# KiCad board NoU2-panelized2.kicad_pcb (continued)
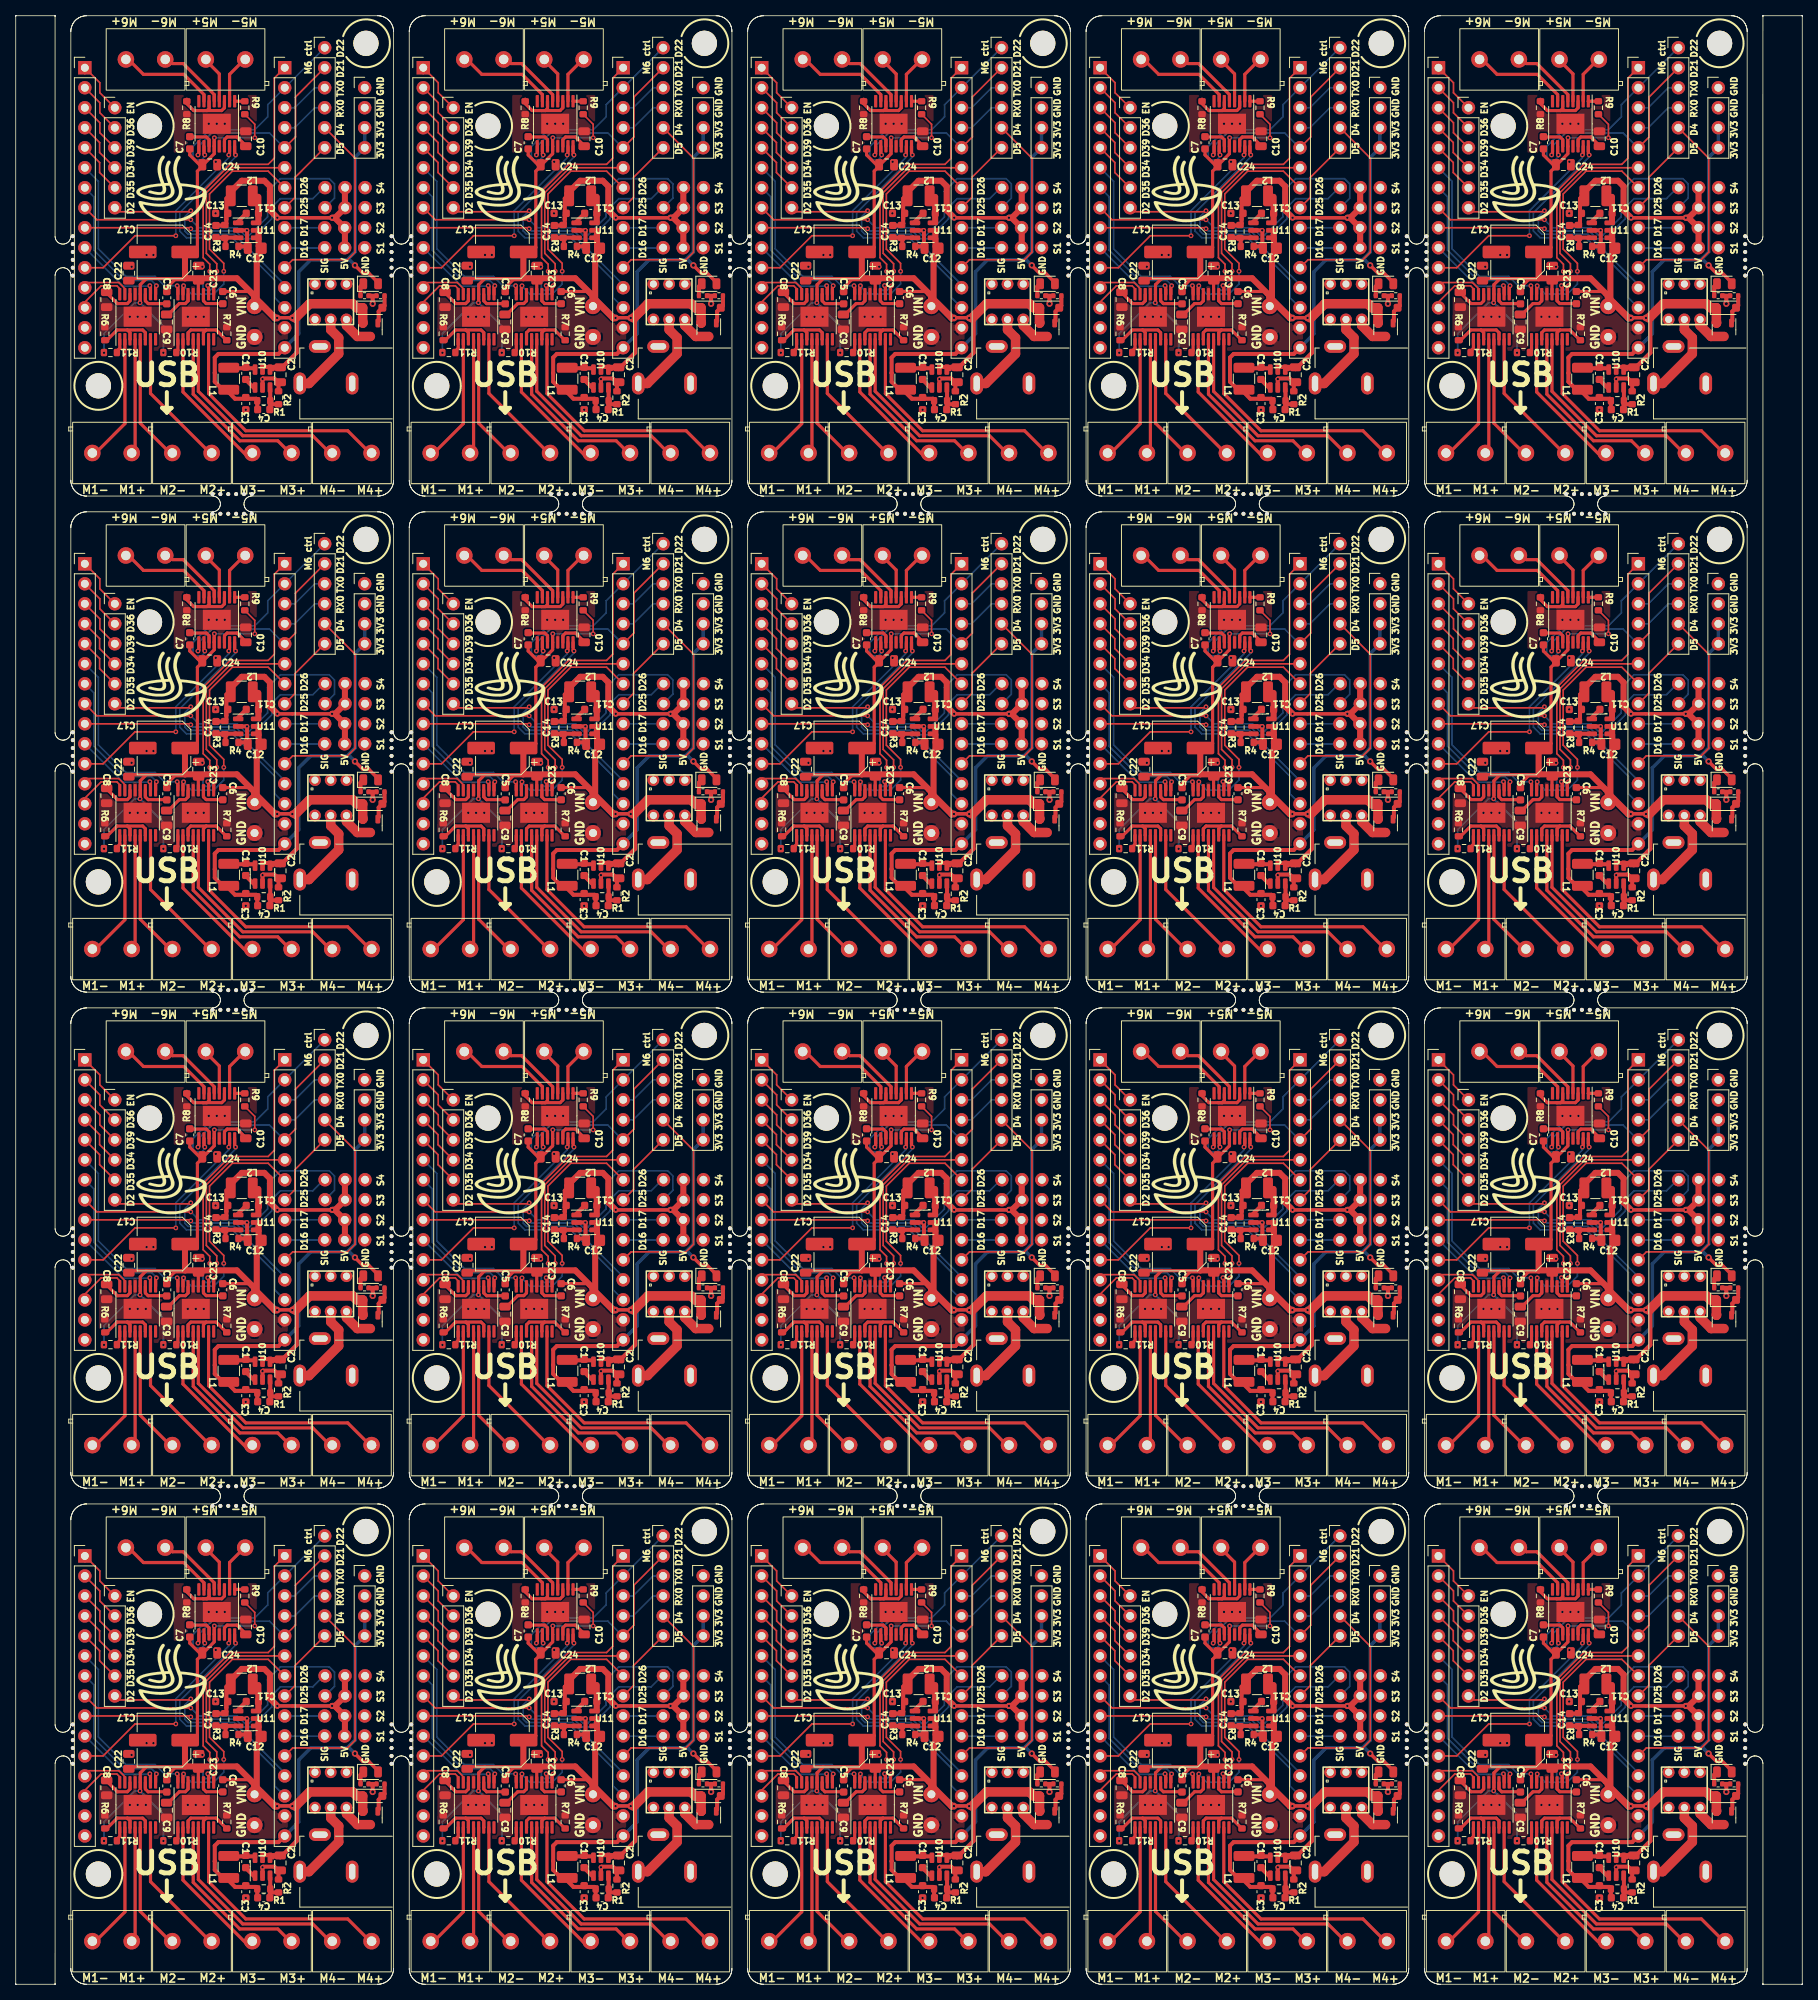
[diagram p0: board, top side]
## Routing (per net, layer and track width the routed paths; a pad name or vN(x,y) marks a point on that pad's centre or on a via; arc(x,y) is an arc through that point) (continued)
Board_8-/Sheet6057E9B8/D34: length 6.7
  Top w0.203: J4#17.4 139.66,169.63 139.66,170.9 J2#9.4
Board_8-/Sheet6057E9B8/D35: length 6.7
  Top w0.203: J4#17.5 139.66,167.09 139.66,168.36 J2#9.5
Board_8-/Sheet6057E9B8/D36: length 6.7
  Top w0.203: J2#9.2 139.68,175.95 139.68,174.68 J4#17.2
Board_8-/Sheet6057E9B8/D39: length 6.7
  Top w0.203: J4#17.3 139.68,172.14 139.68,173.41 J2#9.3
Board_8-/Sheet6057E9B8/EN: length 7.3
  Top w0.203: J4#17.1 139.68,177.22 139.68,178.49 J2#9.1
  Top w0.399: 137.78,179.76 J2#9.1
Board_8-D2: length 28.7
  Top w0.203: v2(151.24,162.24) 151.11,162.11 142.1,162.11 J4#17.6
  Bottom w0.203: J5#15.12 163.18,152.84 156.77,159.25 150.9,159.25 150.48,159.67 150.48,161.47 v2(151.24,162.24)
Board_8-D4: length 27.2
  Top w0.203: J5#15.11 164.19,156.01 171.15,156.01 172.12,156.98 172.12,168.92 J1#2.5
Board_8-D5: length 9.7
  Top w0.203: J5#15.8 164.5,163.94 164.5,166.48 J1#2.6
Board_8-GND: length 11.5
  Top w0.508: 158.32,136.98 158.33,136.98 ; R4#9.2 158.31,157.71 158.4,157.8 158.4,159.72 v2(158.38,159.75) 157.06,159.75 ; R5#18.2 174.1,151.44 ; 174.1,151.44 R14#20.2 ; 174.1,151.44 174.36,151.19 v1(174.36,150.42) ; 162.39,139.31 162.39,140.24 162.61,140.46 162.33,140.46 161.86,140.93 160.43,140.93 v2(160.36,140.86) 160.36,139.61
  vias: v2(143.49,148.77) v2(143.72,155.12) v2(144.5,148.77) v2(145.53,148.77) v2(145.63,156.62) v2(146.49,156.62) v2(150.86,148.77) v2(151.88,148.77) v2(152.71,155.12) v2(152.89,148.77) v2(153.53,173.28) v2(154.42,168.46) v2(154.39,161.9) v2(154.54,173.28) v2(155.56,173.28) v2(158.23,136.96)
Board_8-M1A: length 6.9
  Top w0.203: 142.22,151.64 142.22,152.33 141.85,152.7 139.85,152.7 137.78,150.63 J2#9.13
Board_8-M1B: length 6.8
  Top w0.203: J2#9.12 137.78,153.12 142.1,153.12 142.87,152.34 142.87,151.64
Board_8-M2A: length 11.3
  Top w0.399: 146.03,152.66 146.12,152.57 146.12,151.64
  Bottom w0.203: J2#9.10 142.66,152.66 146.03,152.66
  vias: v2(146.03,152.72)
Board_8-M2B: length 19.4
  Top w0.399: 146.77,151.64 146.77,152.56 146.87,152.66
  Bottom w0.203: J2#9.7 138.93,164 138.93,157.22 142.78,153.37 146.26,153.37 146.87,152.76 v2(146.87,152.71) 146.87,152.66 146.87,152.72
Board_8-M3A: length 24
  Top w0.399: 149.51,152.66 149.6,152.57 U3#17.16
  Bottom w0.203: v2(149.51,152.72) 147.88,152.72 146.7,153.9 143,153.9 139.5,157.4 139.5,165.97 J2#9.6
Board_8-M3B: length 30.9
  Top w0.203: J5#15.7 161.07,167.26 156.52,167.26 153.62,164.36 153.62,157.36 155.43,155.55 v2(155.43,154.54) ; 150.25,152.58 150.33,152.66
  Top w0.399: U3#17.15 150.25,152.58
  Bottom w0.203: v2(155.43,154.54) 155.43,152.93 154.15,151.65 151.34,151.65 150.33,152.66
  vias: v2(150.33,152.71)
Board_8-M4A: length 25.2
  Top w0.203: J5#15.6 156.39,167.7 153.22,164.53 153.22,156.83 154.54,155.5 v2(154.54,154.54)
  Top w0.399: 153.4,152.66 153.5,152.56 U3#17.10
  Bottom w0.203: v2(154.54,154.54) 154.54,153.82 153.4,152.67 153.4,152.66
  vias: v2(153.4,152.74)
Board_8-M4B: length 38.7
  Top w0.203: v2(153.65,154.54) 153.65,155.44 152.82,156.28 152.82,164.7 156.24,168.13 161.07,168.13 161.86,168.92 161.86,179.08 J5#15.1
  Top w0.399: U3#17.9 154.15,152.55 154.26,152.66
  Bottom w0.203: v2(154.29,152.71) 153.71,152.13 153.11,152.13 152.79,152.44 152.79,153.12 153.65,153.98 v2(153.65,154.54)
Board_8-M5A: length 32.5
  Top w0.399: 156.93,169.37 v2(156.93,169.32) 156.82,169.43 U2#17.16
  Bottom w0.203: v2(156.93,169.32) 156.93,169.07 149.84,161.98 149.84,159.65 150.69,158.81 156.51,158.81 161.91,153.41 161.91,151.19 163.18,149.92 J5#15.13
Board_8-M5B: length 27.4
  Top w0.203: J2#9.11 140.1,155 144.16,159.06 v2(149.34,159.06)
  Top w0.399: 156.07,169.37 156.17,169.47 U2#17.15
  Bottom w0.203: 156.07,169.37 156.07,168.97 149.34,162.24 v2(149.34,159.06)
  vias: v2(156.07,169.32)
Board_8-M6A: length 27.3
  Top w0.203: 168.25,182.94 J1#2.1
  Top w0.399: 153.02,169.37 152.92,169.47 U2#17.10
  Bottom w0.203: v2(153.02,169.32) 153.02,169.12 152.59,168.69 151.85,168.69 151.53,169.02 151.53,170.39 153.65,172.52 159.37,172.52 161.02,174.17 161.02,175.7 J5#15.2 168.25,182.94
Board_8-M6B: length 26.9
  Top w0.203: J5#15.5 164.55,171.61 164.55,176.69 J1#2.2
  Top w0.399: U2#17.9 152.27,169.49 152.16,169.37
  Bottom w0.203: 152.16,169.37 152.27,169.49 152.27,170.46 153.92,172.11 161.24,172.11 163.11,170.24 J5#15.5
  vias: v2(152.16,169.32)
Board_8-Net-(D1-K): length 1.7
  Top w0.508: R14#20.1 172.81,152.61 D1#4.1
Board_8-Net-(D3-A): length 3.7
  Top w0.508: 175.01,148.12 175.12,148.23 175.12,149.45 D3#14.2 175.86,150.19 R5#18.1
Board_8-Net-(J10-Pad1): length 11.3
  Top w1.2: 165.08,140.3 166.26,140.3 170.04,144.07 170.04,146.11 169.02,147.12 U4#10.5
Board_8-Net-(J11-Pin_1): length 14.9
  Top w0.399: 144.17,145.91 144.17,131.42 143.88,131.12
Board_8-Net-(J11-Pin_2): length 16.5
  Top w0.399: 142.87,145.91 142.87,135.2 138.8,131.12
Board_8-Net-(J15-Pin_1): length 18.1
  Top w0.399: 146.12,145.91 146.12,139.03 154.03,131.12
Board_8-Net-(J15-Pin_2): length 16.5
  Top w0.399: 148.96,131.12 144.82,135.25 144.82,145.91
Board_8-Net-(J16-Pin_1): length 22.9
  Top w0.399: U3#17.4 151.55,138.94 157.47,133.02 162.3,133.02 164.19,131.12
Board_8-Net-(J16-Pin_2): length 18.9
  Top w0.399: U3#17.2 150.25,139.22 158.35,131.12 159.12,131.12
Board_8-Net-(J17-Pin_1): length 31
  Top w0.399: 174.36,131.12 171.18,134.29 158.23,134.29 153.5,139.02 U3#17.7
Board_8-Net-(J17-Pin_2): length 27.1
  Top w0.399: U3#17.5 152.2,139.3 157.84,133.66 166.74,133.66 169.28,131.12
Board_8-Net-(J18-Pin_1): length 6.4
  Top w0.399: 153.15,181.79 153.15,181.34 154.87,179.61 U2#17.4
Board_8-Net-(J18-Pin_2): length 6.5
  Top w0.399: 158.23,181.79 158.23,181.62 156.17,179.56 U2#17.2
Board_8-Net-(J19-Pin_1): length 12.8
  Top w0.399: 142.99,181.79 145.22,179.56 150.35,179.56 152.92,176.99 U2#17.7
Board_8-Net-(J19-Pin_2): length 9
  Top w0.399: U2#17.5 154.22,176.99 150.28,180.93 148.93,180.93 148.07,181.79
Board_8-Net-(Q1-D): length 4.4
  Top w1.2: Q1#18.3 172.41,146.27 171.02,147.66 U4#10.6
Board_8-Net-(U1-AISEN): length 7.8
  Top w0.399: 140.7,145.66 140.7,145.91 141.89,147.1 143.18,147.1 ; 143.52,145.91 143.52,145.91 143.52,146.75 143.18,147.1 ; 143.18,147.1 145.13,147.1 145.47,146.75 145.47,145.91 145.47,145.91
Board_8-Net-(U1-nSLEEP): length 1.8
  Top w0.399: 141.78,144.33 142.22,144.77 142.22,145.91
Board_8-Net-(U1-VCP): length 3.7
  Top w0.399: 145.47,151.64 145.47,150.79 145.82,150.44 148.16,150.44 C5#13.2
Board_8-Net-(U1-VINT): length 4.6
  Top w0.399: C8#10.1 140.55,151.81 141.91,150.45 143.18,150.45 143.52,150.79 143.52,151.64
Board_8-Net-(U2-AISEN): length 8.5
  Top w0.399: U2#17.3 155.52,175.3 155.17,174.96 152.79,174.96 ; 152.79,174.96 153.3,174.96 153.57,175.23 U2#17.6 ; 152.79,174.96 151.61,174.96 150.73,175.83 150.73,176.4
Board_8-Net-(U2-nSLEEP): length 1.3
  Top w0.399: U2#17.1 156.82,176.14 R9#16.1
Board_8-Net-(U2-VCP): length 3.5
  Top w0.399: C7#11.2 151.15,171.61 153.22,171.61 153.57,171.27 U2#17.11
Board_8-Net-(U2-VINT): length 4.2
  Top w0.399: U2#17.14 155.52,171.27 155.86,171.61 157.12,171.61 158.23,170.51 C10#17.1
Board_8-Net-(U3-AISEN): length 7.8
  Top w0.399: 153.19,147.1 154.47,147.1 155.69,145.89 155.69,145.66 ; 153.19,147.1 151.24,147.1 150.9,146.75 U3#17.3 150.9,145.91 ; 153.19,147.1 152.85,146.75 U3#17.6 152.84,145.9
Board_8-Net-(U3-nSLEEP): length 1.7
  Top w0.399: U3#17.1 149.6,144.53 149.4,144.33
Board_8-Net-(U3-VCP): length 3.4
  Top w0.399: C6#5.2 155.28,150.45 153.19,150.45 152.85,150.79 U3#17.11
Board_8-Net-(U3-VINT): length 4.3
  Top w0.399: C9#8.1 148.4,149.06 149.78,150.45 150.56,150.45 150.9,150.79 U3#17.14
Board_8-Net-(U10-BS): length 1.7
  Top w0.508: 158.2,140.8 159.37,139.63 ; 158.33,140.81 158.33,140.78
Board_8-Net-(U10-FB): length 4.1
  Top w0.508: C4#4.1 161.29,138.06 ; 161.29,138.06 R1#16.2 161.34,139.59 ; 161.29,138.06 161.29,137.84 161.46,137.66 R2#7.1 ; 161.41,138.06 161.46,138.1
Board_8-Net-(U10-LX): length 3.3
  Top w0.508: 159.43,142.23 156.15,142.23
Board_8-Net-(U11-BS): length 1.7
  Top w0.508: C11#16.2 157.08,160.7 157.06,160.7
Board_8-Net-(U11-FB): length 3.7
  Top w0.508: 157.06,158.8 157.04,158.82 C14#10.1 ; R3#14.2 155.65,158.69 R4#9.1
Board_8-Net-(U11-LX): length 3.5
  Top w0.508: 159.7,163.99 159.65,164.04 ; 159.68,161.75 C11#16.1 159.7,162.04
  Top w0.762: 159.83,160.81 159.83,161.86 ; 159.83,162.06 159.83,164
Board_8-RX0: length 6.1
  Bottom w0.203: J5#15.4 164.45,172.78 166.99,175.32 J1#2.4
Board_8-SRV1: length 5.1
  Top w0.203: 163.21,157.51 J5#15.10
  Bottom w0.203: 168.28,157.51 163.21,157.51
Board_8-SRV2: length 5.1
  Bottom w0.203: J5#15.9 168.25,160.08
Board_8-SRV3: length 41.8
  Top w0.203: J2#9.8 139.3,161.09 v2(151.24,161.09)
  Bottom w0.203: v2(151.24,161.09) 152.26,160.08 157.15,160.08 158.08,159.14 158.68,159.14 161,161.46 161,164.68 162.63,166.31 168.83,166.31 169.5,165.64 169.5,163.83 168.28,162.62
Board_8-SRV4: length 34.6
  Top w0.203: J2#9.9 151.15,160.08 v2(151.24,159.95)
  Bottom w0.203: v2(151.24,159.95) 151.52,159.67 156.91,159.67 157.91,158.68 158.99,158.68 161.53,161.22 161.53,162.67 162.63,163.77 166.75,163.77 168.13,165.16 168.28,165.16
Board_8-TX0: length 6.1
  Bottom w0.203: J5#15.3 164.45,175.32 166.99,177.86 J1#2.3
Board_8-VIN: length 119.5
  Top w0.203: v2(159.37,171.51) 159.37,173.22 R9#16.2
  Top w0.25: J14#12.1 159.74,150.51 159.74,151.1
  Top w0.399: C24#3.1 152.36,168.08 151.11,169.32 C7#11.1 ; C24#3.1 152.7,167.89 152.08,167.26 152.08,157.59 151.5,157 C17#13.1 ; C24#3.1 152.82,168.08 154.22,169.48 U2#17.12 154.21,170.43 154.21,171.51 ; 149.16,153.42 148.19,152.46 148.19,151.96 ; 158.01,174.4 R9#16.2 ; 150.54,153.62 145.6,153.62 144.82,152.84 144.82,150.56 144.81,150.55 ; C6#5.1 158.78,151.98 159.04,151.72 ; 152.21,153.36 152.2,153.36 U3#17.12 ; C22#13.1 143.61,153.6 ; 143.65,153.62 145.63,153.62 ; 150.49,153.47 149.32,153.47
  Top w0.432: v2(162.21,148.62) 162.25,148.65 164.11,148.65 v2(164.14,148.62)
  Top w0.508: 160.65,142.4 161.27,142.4 ; 159.86,156.72 159.86,156.95 C12#14.2 ; 159.86,158.61 159.68,158.8 ; 161.53,142.27 161.69,142.11 ; 162.6,142.11 162.77,142.28 162.79,142.28 164.7,144.2 164.7,148.46 164.54,148.62 ; 162.52,142.41 161.61,142.41
  Top w0.762: C17#13.1 150.5,156.97 150.5,153.66 ; 159.85,158.7 159.85,159.65 ; 150.57,153.66 157.1,153.66 159.34,151.41 J14#12.1 159.62,150.4 159.62,156.48 159.86,156.72 159.86,158.61
  Top w0.864: v2(162.21,148.62) 161.93,148.62 159.34,151.21 159.34,151.41 ; 164.54,148.62 v2(164.14,148.62)
  Top w1.2: 173.11,148.12 Q1#18.2 173.09,148 D3#14.1 172.32,149.92 171.81,150.42 166.34,150.42 164.54,148.62
  Bottom w0.203: 154.21,171.51 v2(159.37,171.51) ; v2(140.22,144.2) 140.22,146.64 144.13,150.55 v2(144.79,150.55)
  Bottom w0.25: v2(144.79,150.55) 147.76,147.58 v2(147.76,144.2)
  Bottom w0.432: v2(162.21,148.62) 162.25,148.65 164.11,148.65 v2(164.14,148.62)
  vias: v2(154.24,171.51)
Board_9-3V3: length 60.9
  Top w0.432: v1(215.1,155.3) 216.1,154.3 216.85,154.3 218.04,153.11 D1.2
  Top w0.508: 199.07,139.37 198.94,139.5 198.94,139.29 199.87,138.36 202.56,138.36 202.81,138.1 ; 202.81,137.04 202.86,136.99 ; 199.2,139.25 198.56,139.25 197.29,140.52 197.29,141.63 197.29,141.63 197.29,143.59 197.75,144.05 205.39,144.05 J5#6.15 ; R1#17.1 202.69,137.04
  Bottom w0.432: J3#11.3 J3#11.4 215.11,169.01 215.11,157.01 214.12,156.01 ; v1(215.1,155.3) 214.39,156.01 214.12,156.01 ; 214.12,156.01 209.48,156.01 207.96,154.49 207.96,146.62 J5#6.15
Board_9-5V: length 40.3
  Top w0.432: v2(212.2,161.35) v2(205.24,161.35)
  Top w0.508: C14#5.2 198.5,160.37 R3#7.1 198.76,160.63 198.76,161.14 ; 199.11,164.14 198.76,163.79 198.76,161.14 ; 198.76,161.14 198.76,161.69 198.98,161.9 198.98,162.1
  Top w0.762: 213.82,157.51 213.82,160.05 212.53,161.35 v2(212.2,161.35) 212.58,161.35 213.82,162.59 213.82,165.16 ; v2(205.24,161.35) 204.3,162.29 204.3,165.33 203.59,166.05 201.58,166.05 201.58,166.05 200.72,166.05 199.11,164.43 199.11,164.14
  Bottom w0.432: v2(205.24,161.35) v2(212.2,161.35)
Board_9-/Sheet6057E9B8/D34: length 6.7
  Top w0.203: J4#12.4 182.66,169.63 182.66,170.9 J2#7.4
Board_9-/Sheet6057E9B8/D35: length 6.7
  Top w0.203: J4#12.5 182.66,167.09 182.66,168.36 J2#7.5
Board_9-/Sheet6057E9B8/D36: length 6.7
  Top w0.203: J2#7.2 182.68,175.95 182.68,174.68 J4#12.2
Board_9-/Sheet6057E9B8/D39: length 6.7
  Top w0.203: J4#12.3 182.68,172.14 182.68,173.41 J2#7.3
Board_9-/Sheet6057E9B8/EN: length 7.3
  Top w0.203: J4#12.1 182.68,177.22 182.68,178.49 J2#7.1
  Top w0.399: 180.78,179.76 J2#7.1
Board_9-D2: length 28.7
  Top w0.203: v2(194.24,162.24) 194.11,162.11 185.1,162.11 J4#12.6
  Bottom w0.203: J5#6.12 206.18,152.84 199.77,159.25 193.9,159.25 193.48,159.67 193.48,161.47 v2(194.24,162.24)
Board_9-D4: length 27.2
  Top w0.203: J5#6.11 207.19,156.01 214.15,156.01 215.12,156.98 215.12,168.92 J1#7.5
Board_9-D5: length 9.7
  Top w0.203: J5#6.8 207.5,163.94 207.5,166.48 J1#7.6
Board_9-GND: length 11.5
  Top w0.508: 201.32,136.98 201.33,136.98 ; R4#7.2 201.31,157.71 201.4,157.8 201.4,159.72 v2(201.38,159.75) 200.06,159.75 ; R5#3.2 217.1,151.44 ; 217.1,151.44 R14#18.2 ; 217.1,151.44 217.36,151.19 v1(217.36,150.42) ; 205.39,139.31 205.39,140.24 205.61,140.46 205.33,140.46 204.86,140.93 203.43,140.93 v2(203.36,140.86) 203.36,139.61
  vias: v2(186.49,148.77) v2(186.72,155.12) v2(187.5,148.77) v2(188.53,148.77) v2(188.63,156.62) v2(189.49,156.62) v2(193.86,148.77) v2(194.88,148.77) v2(195.71,155.12) v2(195.89,148.77) v2(196.53,173.28) v2(197.42,168.46) v2(197.39,161.9) v2(197.54,173.28) v2(198.56,173.28) v2(201.23,136.96)
Board_9-M1A: length 6.9
  Top w0.203: 185.22,151.64 185.22,152.33 184.85,152.7 182.85,152.7 180.78,150.63 J2#7.13
Board_9-M1B: length 6.8
  Top w0.203: J2#7.12 180.78,153.12 185.1,153.12 185.87,152.34 185.87,151.64
Board_9-M2A: length 11.3
  Top w0.399: 189.03,152.66 189.12,152.57 189.12,151.64
  Bottom w0.203: J2#7.10 185.66,152.66 189.03,152.66
  vias: v2(189.03,152.72)
Board_9-M2B: length 19.4
  Top w0.399: 189.77,151.64 189.77,152.56 189.87,152.66
  Bottom w0.203: J2#7.7 181.93,164 181.93,157.22 185.78,153.37 189.26,153.37 189.87,152.76 v2(189.87,152.71) 189.87,152.66 189.87,152.72
Board_9-M3A: length 24
  Top w0.399: 192.51,152.66 192.6,152.57 U3#3.16
  Bottom w0.203: v2(192.51,152.72) 190.88,152.72 189.7,153.9 186,153.9 182.5,157.4 182.5,165.97 J2#7.6
Board_9-M3B: length 30.9
  Top w0.203: J5#6.7 204.07,167.26 199.52,167.26 196.62,164.36 196.62,157.36 198.43,155.55 v2(198.43,154.54) ; 193.25,152.58 193.33,152.66
  Top w0.399: U3#3.15 193.25,152.58
  Bottom w0.203: v2(198.43,154.54) 198.43,152.93 197.15,151.65 194.34,151.65 193.33,152.66
  vias: v2(193.33,152.71)
Board_9-M4A: length 25.2
  Top w0.203: J5#6.6 199.39,167.7 196.22,164.53 196.22,156.83 197.54,155.5 v2(197.54,154.54)
  Top w0.399: 196.4,152.66 196.5,152.56 U3#3.10
  Bottom w0.203: v2(197.54,154.54) 197.54,153.82 196.4,152.67 196.4,152.66
  vias: v2(196.4,152.74)
Board_9-M4B: length 38.7
  Top w0.203: v2(196.65,154.54) 196.65,155.44 195.82,156.28 195.82,164.7 199.24,168.13 204.07,168.13 204.86,168.92 204.86,179.08 J5#6.1
  Top w0.399: U3#3.9 197.15,152.55 197.26,152.66
  Bottom w0.203: v2(197.29,152.71) 196.71,152.13 196.11,152.13 195.79,152.44 195.79,153.12 196.65,153.98 v2(196.65,154.54)
Board_9-M5A: length 32.5
  Top w0.399: 199.93,169.37 v2(199.93,169.32) 199.82,169.43 U2#12.16
  Bottom w0.203: v2(199.93,169.32) 199.93,169.07 192.84,161.98 192.84,159.65 193.69,158.81 199.51,158.81 204.91,153.41 204.91,151.19 206.18,149.92 J5#6.13
Board_9-M5B: length 27.4
  Top w0.203: J2#7.11 183.1,155 187.16,159.06 v2(192.34,159.06)
  Top w0.399: 199.07,169.37 199.17,169.47 U2#12.15
  Bottom w0.203: 199.07,169.37 199.07,168.97 192.34,162.24 v2(192.34,159.06)
  vias: v2(199.07,169.32)
Board_9-M6A: length 27.3
  Top w0.203: 211.25,182.94 J1#7.1
  Top w0.399: 196.02,169.37 195.92,169.47 U2#12.10
  Bottom w0.203: v2(196.02,169.32) 196.02,169.12 195.59,168.69 194.85,168.69 194.53,169.02 194.53,170.39 196.65,172.52 202.37,172.52 204.02,174.17 204.02,175.7 J5#6.2 211.25,182.94
Board_9-M6B: length 26.9
  Top w0.203: J5#6.5 207.55,171.61 207.55,176.69 J1#7.2
  Top w0.399: U2#12.9 195.27,169.49 195.16,169.37
  Bottom w0.203: 195.16,169.37 195.27,169.49 195.27,170.46 196.92,172.11 204.24,172.11 206.11,170.24 J5#6.5
  vias: v2(195.16,169.32)
Board_9-Net-(D1-K): length 1.7
  Top w0.508: R14#18.1 215.81,152.61 D1.1
Board_9-Net-(D3-A): length 3.7
  Top w0.508: 218.01,148.12 218.12,148.23 218.12,149.45 D3#10.2 218.86,150.19 R5#3.1
Board_9-Net-(J10-Pad1): length 11.3
  Top w1.2: 208.08,140.3 209.26,140.3 213.04,144.07 213.04,146.11 212.02,147.12 U4#18.5
Board_9-Net-(J11-Pin_1): length 14.9
  Top w0.399: 187.17,145.91 187.17,131.42 186.88,131.12
Board_9-Net-(J11-Pin_2): length 16.5
  Top w0.399: 185.87,145.91 185.87,135.2 181.8,131.12
Board_9-Net-(J15-Pin_1): length 18.1
  Top w0.399: 189.12,145.91 189.12,139.03 197.03,131.12
Board_9-Net-(J15-Pin_2): length 16.5
  Top w0.399: 191.96,131.12 187.82,135.25 187.82,145.91
Board_9-Net-(J16-Pin_1): length 22.9
  Top w0.399: U3#3.4 194.55,138.94 200.47,133.02 205.3,133.02 207.19,131.12
Board_9-Net-(J16-Pin_2): length 18.9
  Top w0.399: U3#3.2 193.25,139.22 201.35,131.12 202.12,131.12
Board_9-Net-(J17-Pin_1): length 31
  Top w0.399: 217.36,131.12 214.18,134.29 201.23,134.29 196.5,139.02 U3#3.7
Board_9-Net-(J17-Pin_2): length 27.1
  Top w0.399: U3#3.5 195.2,139.3 200.84,133.66 209.74,133.66 212.28,131.12
Board_9-Net-(J18-Pin_1): length 6.4
  Top w0.399: 196.15,181.79 196.15,181.34 197.87,179.61 U2#12.4
Board_9-Net-(J18-Pin_2): length 6.5
  Top w0.399: 201.23,181.79 201.23,181.62 199.17,179.56 U2#12.2
Board_9-Net-(J19-Pin_1): length 12.8
  Top w0.399: 185.99,181.79 188.22,179.56 193.35,179.56 195.92,176.99 U2#12.7
Board_9-Net-(J19-Pin_2): length 9
  Top w0.399: U2#12.5 197.22,176.99 193.28,180.93 191.93,180.93 191.07,181.79
Board_9-Net-(Q1-D): length 4.4
  Top w1.2: Q1#17.3 215.41,146.27 214.02,147.66 U4#18.6
Board_9-Net-(U1-AISEN): length 7.8
  Top w0.399: 183.7,145.66 183.7,145.91 184.89,147.1 186.18,147.1 ; 186.52,145.91 186.52,145.91 186.52,146.75 186.18,147.1 ; 186.18,147.1 188.13,147.1 188.47,146.75 188.47,145.91 188.47,145.91
Board_9-Net-(U1-nSLEEP): length 1.8
  Top w0.399: 184.78,144.33 185.22,144.77 185.22,145.91
Board_9-Net-(U1-VCP): length 3.7
  Top w0.399: 188.47,151.64 188.47,150.79 188.82,150.44 191.16,150.44 C5#16.2
Board_9-Net-(U1-VINT): length 4.6
  Top w0.399: C8#4.1 183.55,151.81 184.91,150.45 186.18,150.45 186.52,150.79 186.52,151.64
Board_9-Net-(U2-AISEN): length 8.5
  Top w0.399: U2#12.3 198.52,175.3 198.17,174.96 195.79,174.96 ; 195.79,174.96 196.3,174.96 196.57,175.23 U2#12.6 ; 195.79,174.96 194.61,174.96 193.73,175.83 193.73,176.4
Board_9-Net-(U2-nSLEEP): length 1.3
  Top w0.399: U2#12.1 199.82,176.14 R9#11.1
Board_9-Net-(U2-VCP): length 3.5
  Top w0.399: C7#12.2 194.15,171.61 196.22,171.61 196.57,171.27 U2#12.11
Board_9-Net-(U2-VINT): length 4.2
  Top w0.399: U2#12.14 198.52,171.27 198.86,171.61 200.12,171.61 201.23,170.51 C10#11.1
Board_9-Net-(U3-AISEN): length 7.8
  Top w0.399: 196.19,147.1 197.47,147.1 198.69,145.89 198.69,145.66 ; 196.19,147.1 194.24,147.1 193.9,146.75 U3#3.3 193.9,145.91 ; 196.19,147.1 195.85,146.75 U3#3.6 195.84,145.9
Board_9-Net-(U3-nSLEEP): length 1.7
  Top w0.399: U3#3.1 192.6,144.53 192.4,144.33
Board_9-Net-(U3-VCP): length 3.4
  Top w0.399: C6#10.2 198.28,150.45 196.19,150.45 195.85,150.79 U3#3.11
Board_9-Net-(U3-VINT): length 4.3
  Top w0.399: C9#6.1 191.4,149.06 192.78,150.45 193.56,150.45 193.9,150.79 U3#3.14
Board_9-Net-(U10-BS): length 1.7
  Top w0.508: 201.2,140.8 202.37,139.63 ; 201.33,140.81 201.33,140.78
Board_9-Net-(U10-FB): length 4.1
  Top w0.508: C4#13.1 204.29,138.06 ; 204.29,138.06 R1#17.2 204.34,139.59 ; 204.29,138.06 204.29,137.84 204.46,137.66 R2#10.1 ; 204.41,138.06 204.46,138.1
Board_9-Net-(U10-LX): length 3.3
  Top w0.508: 202.43,142.23 199.15,142.23
Board_9-Net-(U11-BS): length 1.7
  Top w0.508: C11#8.2 200.08,160.7 200.06,160.7
Board_9-Net-(U11-FB): length 3.7
  Top w0.508: 200.06,158.8 200.04,158.82 C14#5.1 ; R3#7.2 198.65,158.69 R4#7.1
Board_9-Net-(U11-LX): length 3.5
  Top w0.508: 202.7,163.99 202.65,164.04 ; 202.68,161.75 C11#8.1 202.7,162.04
  Top w0.762: 202.83,160.81 202.83,161.86 ; 202.83,162.06 202.83,164
Board_9-RX0: length 6.1
  Bottom w0.203: J5#6.4 207.45,172.78 209.99,175.32 J1#7.4
Board_9-SRV1: length 5.1
  Top w0.203: 206.21,157.51 J5#6.10
  Bottom w0.203: 211.28,157.51 206.21,157.51
Board_9-SRV2: length 5.1
  Bottom w0.203: J5#6.9 211.25,160.08
Board_9-SRV3: length 41.8
  Top w0.203: J2#7.8 182.3,161.09 v2(194.24,161.09)
  Bottom w0.203: v2(194.24,161.09) 195.26,160.08 200.15,160.08 201.08,159.14 201.68,159.14 204,161.46 204,164.68 205.63,166.31 211.83,166.31 212.5,165.64 212.5,163.83 211.28,162.62
Board_9-SRV4: length 34.6
  Top w0.203: J2#7.9 194.15,160.08 v2(194.24,159.95)
  Bottom w0.203: v2(194.24,159.95) 194.52,159.67 199.91,159.67 200.91,158.68 201.99,158.68 204.53,161.22 204.53,162.67 205.63,163.77 209.75,163.77 211.13,165.16 211.28,165.16
Board_9-TX0: length 6.1
  Bottom w0.203: J5#6.3 207.45,175.32 209.99,177.86 J1#7.3
Board_9-VIN: length 119.5
  Top w0.203: v2(202.37,171.51) 202.37,173.22 R9#11.2
  Top w0.25: J14.1 202.74,150.51 202.74,151.1
  Top w0.399: C24#4.1 195.36,168.08 194.11,169.32 C7#12.1 ; C24#4.1 195.7,167.89 195.08,167.26 195.08,157.59 194.5,157 C17#10.1 ; C24#4.1 195.82,168.08 197.22,169.48 U2#12.12 197.21,170.43 197.21,171.51 ; 192.16,153.42 191.19,152.46 191.19,151.96 ; 201.01,174.4 R9#11.2 ; 193.54,153.62 188.6,153.62 187.82,152.84 187.82,150.56 187.81,150.55 ; C6#10.1 201.78,151.98 202.04,151.72 ; 195.21,153.36 195.2,153.36 U3#3.12 ; C22#15.1 186.61,153.6 ; 186.65,153.62 188.63,153.62 ; 193.49,153.47 192.32,153.47
  Top w0.432: v2(205.21,148.62) 205.25,148.65 207.11,148.65 v2(207.14,148.62)
  Top w0.508: 203.65,142.4 204.27,142.4 ; 202.86,156.72 202.86,156.95 C12#18.2 ; 202.86,158.61 202.68,158.8 ; 204.53,142.27 204.69,142.11 ; 205.6,142.11 205.77,142.28 205.79,142.28 207.7,144.2 207.7,148.46 207.54,148.62 ; 205.52,142.41 204.61,142.41
  Top w0.762: C17#10.1 193.5,156.97 193.5,153.66 ; 202.85,158.7 202.85,159.65 ; 193.57,153.66 200.1,153.66 202.34,151.41 J14.1 202.62,150.4 202.62,156.48 202.86,156.72 202.86,158.61
  Top w0.864: v2(205.21,148.62) 204.93,148.62 202.34,151.21 202.34,151.41 ; 207.54,148.62 v2(207.14,148.62)
  Top w1.2: 216.11,148.12 Q1#17.2 216.09,148 D3#10.1 215.32,149.92 214.81,150.42 209.34,150.42 207.54,148.62
  Bottom w0.203: 197.21,171.51 v2(202.37,171.51) ; v2(183.22,144.2) 183.22,146.64 187.13,150.55 v2(187.79,150.55)
  Bottom w0.25: v2(187.79,150.55) 190.76,147.58 v2(190.76,144.2)
  Bottom w0.432: v2(205.21,148.62) 205.25,148.65 207.11,148.65 v2(207.14,148.62)
  vias: v2(197.24,171.51)
Board_10-3V3: length 60.9
  Top w0.432: v1(43.1,92.3) 44.1,91.3 44.85,91.3 46.04,90.11 D1#10.2
  Top w0.508: 27.07,76.37 26.94,76.5 26.94,76.29 27.87,75.36 30.56,75.36 30.81,75.1 ; 30.81,74.04 30.86,73.99 ; 27.2,76.25 26.56,76.25 25.29,77.52 25.29,78.63 25.29,78.63 25.29,80.59 25.75,81.05 33.39,81.05 J5#20.15 ; R1#11.1 30.69,74.04
  Bottom w0.432: J3#13.3 J3#13.4 43.11,106.01 43.11,94.01 42.12,93.01 ; v1(43.1,92.3) 42.39,93.01 42.12,93.01 ; 42.12,93.01 37.48,93.01 35.96,91.49 35.96,83.62 J5#20.15
Board_10-5V: length 40.3
  Top w0.432: v2(40.2,98.35) v2(33.24,98.35)
  Top w0.508: C14#11.2 26.5,97.37 R3#3.1 26.76,97.63 26.76,98.14 ; 27.11,101.14 26.76,100.79 26.76,98.14 ; 26.76,98.14 26.76,98.69 26.98,98.9 26.98,99.1
  Top w0.762: 41.82,94.51 41.82,97.05 40.53,98.35 v2(40.2,98.35) 40.58,98.35 41.82,99.59 41.82,102.16 ; v2(33.24,98.35) 32.3,99.29 32.3,102.33 31.59,103.05 29.58,103.05 29.58,103.04 28.72,103.04 27.11,101.43 27.11,101.14
  Bottom w0.432: v2(33.24,98.35) v2(40.2,98.35)
Board_10-/Sheet6057E9B8/D34: length 6.7
  Top w0.203: J4#13.4 10.66,106.63 10.66,107.9 J2#19.4
Board_10-/Sheet6057E9B8/D35: length 6.7
  Top w0.203: J4#13.5 10.66,104.09 10.66,105.36 J2#19.5
Board_10-/Sheet6057E9B8/D36: length 6.7
  Top w0.203: J2#19.2 10.68,112.95 10.68,111.68 J4#13.2
Board_10-/Sheet6057E9B8/D39: length 6.7
  Top w0.203: J4#13.3 10.68,109.14 10.68,110.41 J2#19.3
Board_10-/Sheet6057E9B8/EN: length 7.3
  Top w0.203: J4#13.1 10.68,114.22 10.68,115.49 J2#19.1
  Top w0.399: 8.78,116.76 J2#19.1
Board_10-D2: length 28.7
  Top w0.203: v2(22.24,99.24) 22.11,99.11 13.1,99.11 J4#13.6
  Bottom w0.203: J5#20.12 34.18,89.84 27.77,96.25 21.9,96.25 21.48,96.67 21.48,98.47 v2(22.24,99.24)
Board_10-D4: length 27.2
  Top w0.203: J5#20.11 35.19,93.01 42.15,93.01 43.12,93.98 43.12,105.92 J1.5
Board_10-D5: length 9.7
  Top w0.203: J5#20.8 35.5,100.94 35.5,103.48 J1.6
Board_10-GND: length 11.5
  Top w0.508: 29.32,73.98 29.33,73.98 ; R4#17.2 29.31,94.71 29.4,94.8 29.4,96.72 v2(29.38,96.75) 28.06,96.75 ; R5.2 45.1,88.44 ; 45.1,88.44 R14#8.2 ; 45.1,88.44 45.35,88.19 v1(45.35,87.42) ; 33.39,76.31 33.39,77.24 33.61,77.46 33.33,77.46 32.86,77.93 31.43,77.93 v2(31.36,77.86) 31.36,76.61
  vias: v2(14.49,85.77) v2(14.72,92.12) v2(15.5,85.77) v2(16.53,85.77) v2(16.63,93.62) v2(17.49,93.62) v2(21.86,85.77) v2(22.88,85.77) v2(23.71,92.12) v2(23.89,85.77) v2(24.53,110.28) v2(25.42,105.46) v2(25.39,98.9) v2(25.54,110.28) v2(26.56,110.28) v2(29.23,73.96)